# Altium PCB ADL5330.PcbDoc
Units mil, origin at the board's own origin, x right, y up, seen from the top; angles counter-clockwise.
Board outline 1309 x 1066 mil, 2 copper layers (Top Layer, Bottom Layer), stack 21 mil thick; 36 components, 23 nets, 125 pads, 100 vias.
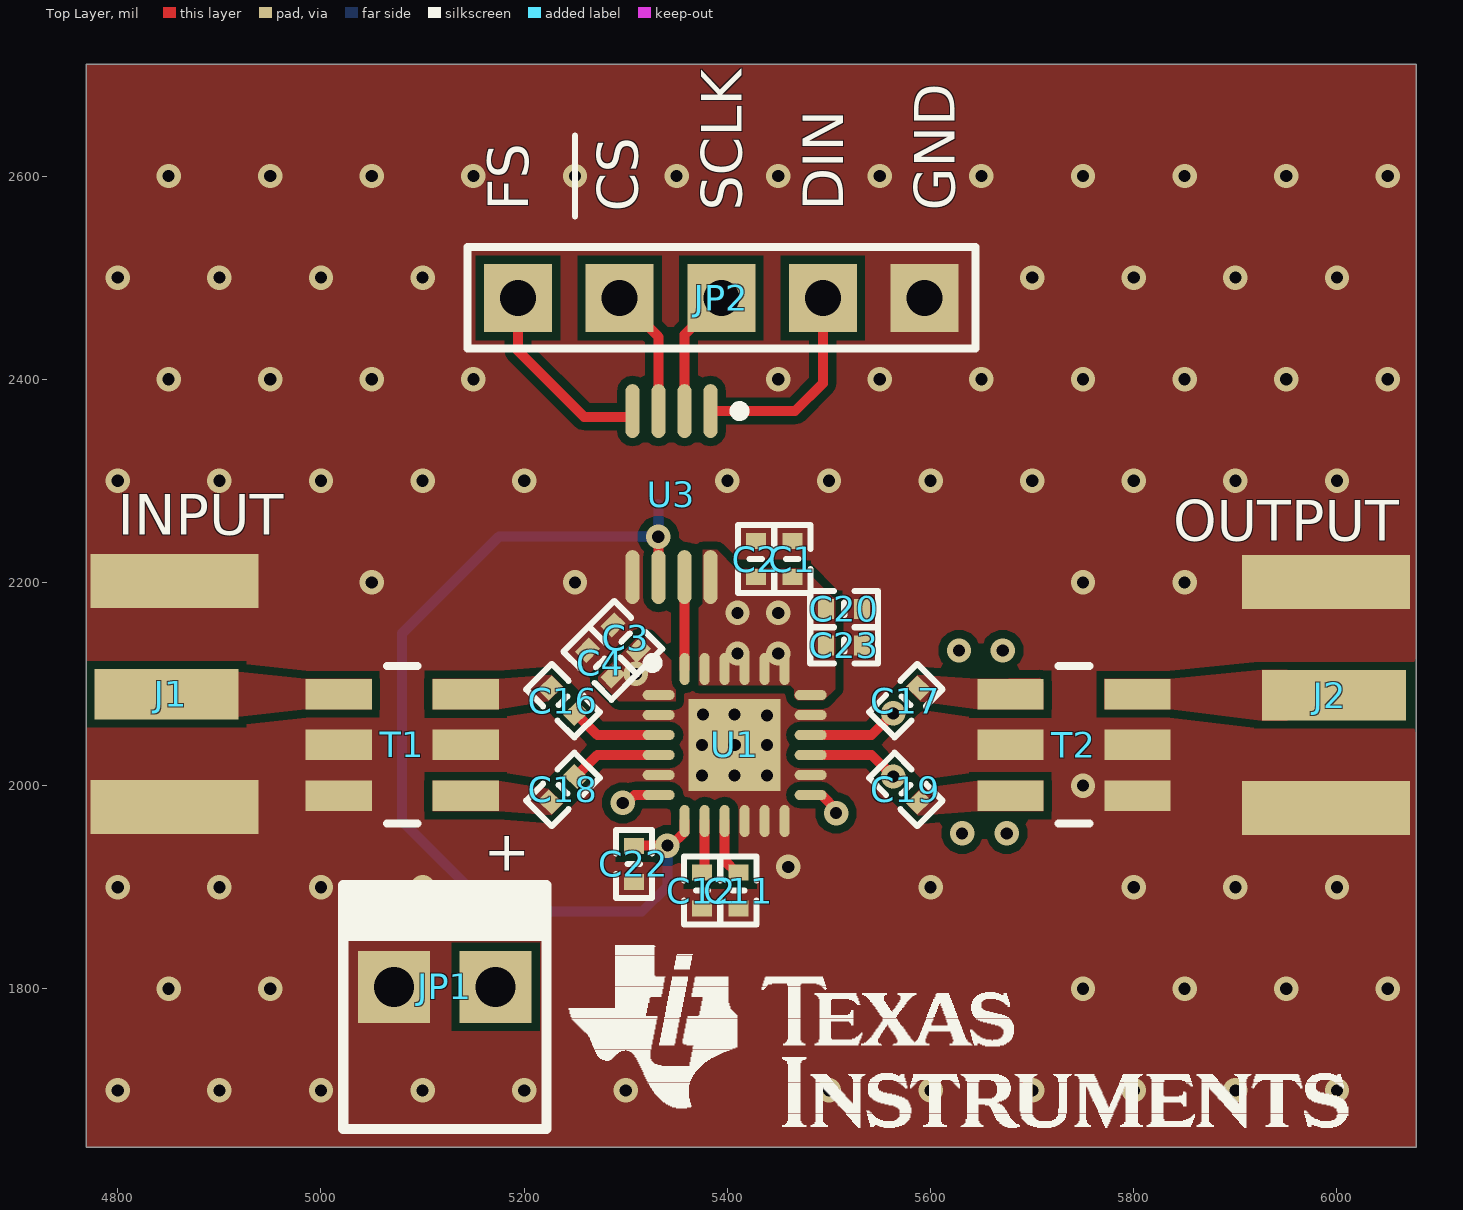
[diagram p0: Top Layer view]
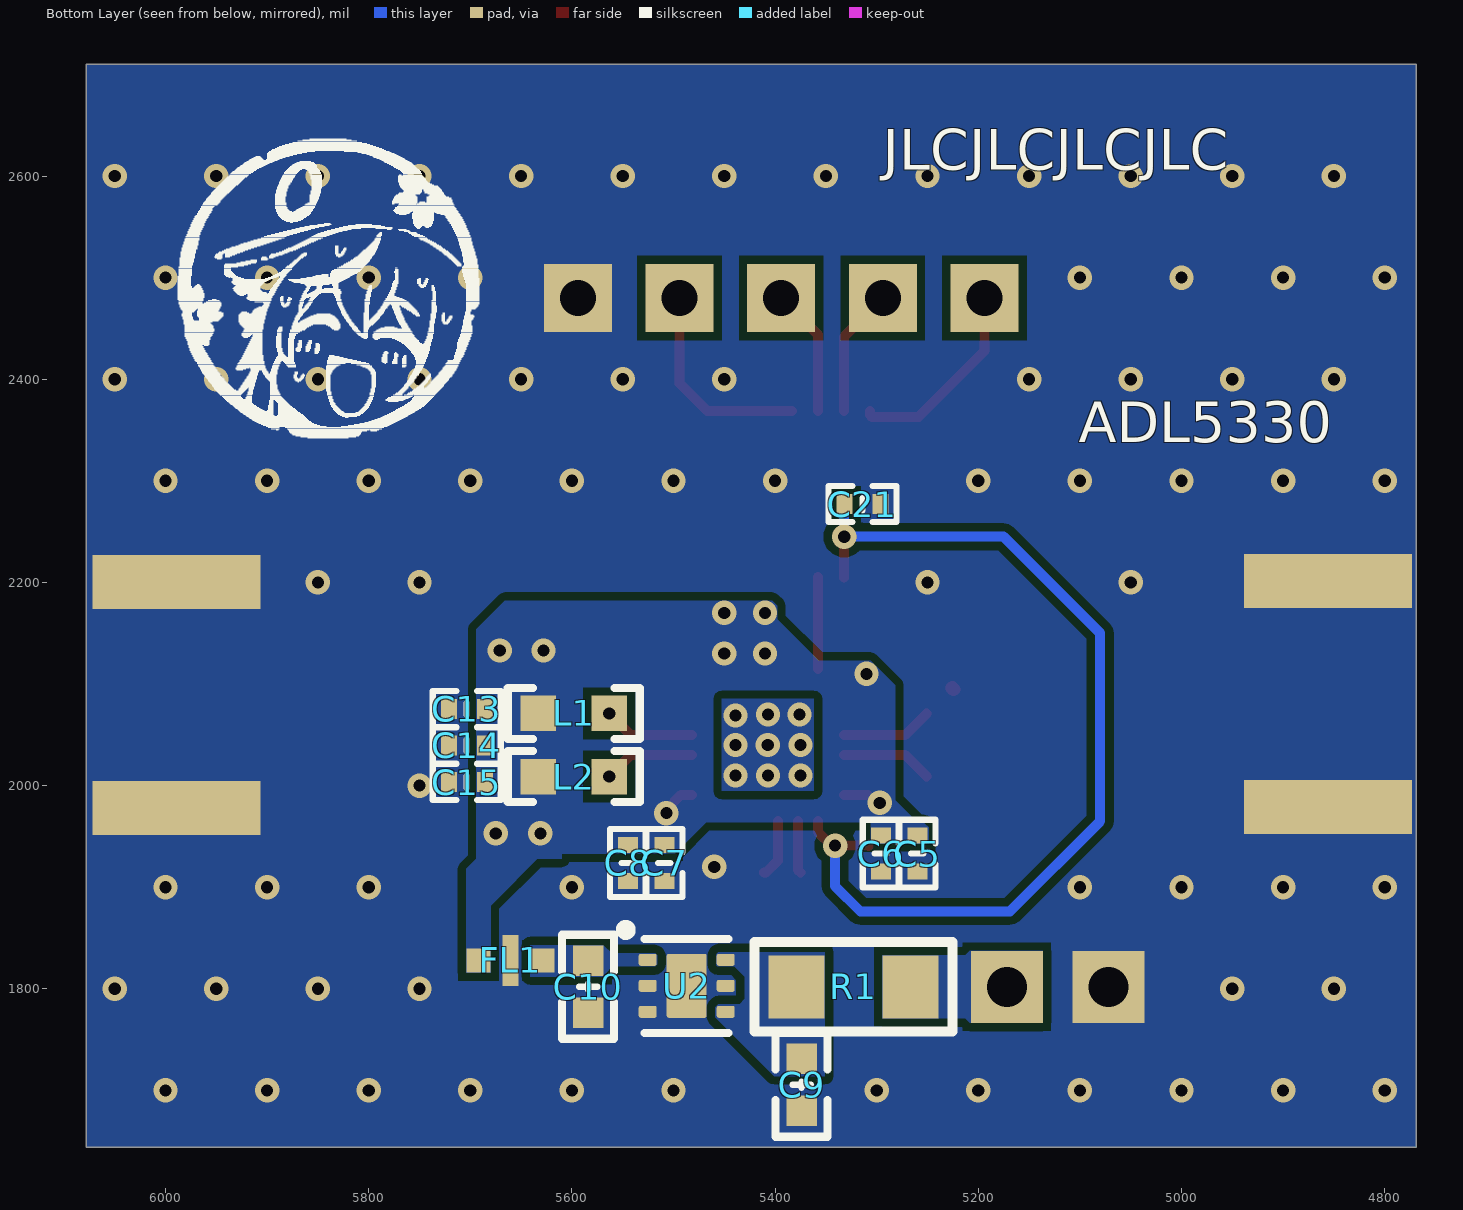
[diagram p1: Bottom Layer view, seen from below]

## Layer stack, top to bottom
Top Solder: solder mask 0.4, Solder Resist, Dk 3.5
Top Layer: signal copper 1.4
Dielectric 2: prepreg 2.8, PP-006, Dk 4.1
Dielectric 1: dielectric 12.6, FR-4, Dk 4.8
Dielectric 3: prepreg 2.8, PP-006, Dk 4.1
Bottom Layer: signal copper 1.4
Bottom Solder: solder mask 0.4, Solder Resist, Dk 3.5

## Board outline
4769,1644 6078,1644 6078,2710 4769,2710

## Design rules (kind name [scope] priority, off if disabled: settings)
Clearance "GND Clearance Rule" [InNet('GND') vs InNetClass('Resisitance Ctrl')] p1: gap=10 ignorepadtopadclearanceinfootprint=FALSE
Clearance [All] p2: gap=8 ignorepadtopadclearanceinfootprint=TRUE
PlaneConnect [All] p1: planeconnectstyle=Direct reliefexpansion=20 reliefentries=4 reliefconductorwidth=10 reliefairgap=10
PolygonConnect [All] p1: connectstyle=Direct reliefconductorwidth=10 reliefentries=4 polygonreliefangle="90 Angle" airgapwidth=10
RoutingVias [All] p1: holewidth=28 width=50 viastyle="Through Hole" minholewidth=28 minwidth=50 maxholewidth=28 maxwidth=50
SolderMaskExpansion [All] p1: expansion=4 istentingtop=FALSE
Width [All] p1: maxlimit=50 minlimit=9.84 preferedwidth=44
29 further rules are at their usual default settings.

## Components (designator, comment, footprint, x,y, rotation, side; value= is the part's Value field where it differs from the comment)
C1 "100nF" "C 0402_L" 5464,2223 r270 top
C2 "100pF" "C 0402_L" 5428,2223 r270 top
C3 "100nF" "C 0402_L" 5299.89,2145.68 r315 top
C4 "100pF" "C 0402_L" 5274.82,2120.76 r315 top
C5 "100nF" "C 0402_L" 5260.01,1933 r90 bottom
C6 "100pF" "C 0402_L" 5296.01,1933 r90 bottom
C7 "100nF" "C 0402_L" 5509,1924 r90 bottom
C8 "100pF" "C 0402_L" 5545,1924 r90 bottom
C9 "1uF" "C 0603_L" 5373.87,1705.61 r270 bottom
C10 "2.2uF" "C 0603_L" 5584,1802 r270 bottom
C11 "1nF" "C 0402_L" 5411,1896.72 r90 top
C12 "1nF" "C 0402_L" 5375,1896.72 r90 top
C13 "100pF" "C 0402_L" 5703.48,2075.51 r180 bottom
C14 "100nF" "C 0402_L" 5703.48,2039.51 r180 bottom
C15 "100pF" "C 0402_L" 5703.48,2003.51 r180 bottom
C16 "100pF" "C 0402_L" 5238.25,2083.58 r315 top
C17 "100pF" "C 0402_L" 5575.73,2083.58 r45 top
C18 "100pF" "C 0402_L" 5238.25,1996.42 r45 top
C19 "100pF" "C 0402_L" 5575.73,1996.42 r315 top
C20 "100nF" "C 0402_L" 5515,2174 r180 top
C21 "100pF" "C 0402_L" 5314,2277 r0 bottom
C22 "100pF" "C 0402_L" 5308,1923 r90 top
C23 "100pF" "C 0402_L" 5515,2138 r0 top
FL1 "NFM18PC104R1C3D" FIL_NFM18PC104R1C3D 5660.5,1828 r0 bottom
J1 "SMA-J-P-H-ST-EM1" FP-SMA-J-P-H-ST-EM1-MFG 4585.8,2090 r270 top
J2 "SMA-J-P-H-ST-EM1" FP-SMA-J-P-H-ST-EM1-MFG 6259.2,2089 r90 top
JP1 "HDR-1X2" KF2510-LI-2P 5122,1802 r0 top
JP2 "HDR-1X5" HDR2.54-LI-5P 5394,2480 r180 top
L1 "120nH" "L 0603" 5598.2,2071.06 r0 bottom
L2 "120nH" "L 0603" 5598.2,2008.94 r180 bottom
R1 "50Ω FB" "R 1206_L" 5322,1802 r0 bottom
T1 "TC1-1-13M" FP-TC1-1-13M+-MFG 5080,2040 r270 top
T2 "TC1-1-13M" FP-TC1-1-13M+-MFG 5740.99,2040 r270 top
U1 "ADL5330ACPZ-REEL7" ADI-CP-24-2_L 5407.19,2040 r0 top
U2 "LP5912DRVT" FP-DRV0006A-MFG 5487,1803 r180 bottom
U3 "TLV5616IDGKR" TI-DGK8_L 5345,2287 r270 top

## Footprints (in the part's own frame and the unit in brackets; to place one, negate y for a bottom-side part, rotate by r counter-clockwise, add the part's x,y. Pads: shape width x height; smd on the part's side, far side on the other; paste and mask are expansions set on the pad)
ADI-CP-24-2_L [mm] "QFN, 24-Leads, Body 4x4mm, Pitch 0.5mm, Thermal Pad 2.3x2.3mm, IPC High Density"
  oval 0.8x0.25 smd mask+0: 1(-1.9,1.25) 2(-1.9,0.75) 3(-1.9,0.25) 4(-1.9,-0.25) 5(-1.9,-0.75) 6(-1.9,-1.25) 13(1.9,-1.25) 14(1.9,-0.75) 15(1.9,-0.25) 16(1.9,0.25) 17(1.9,0.75) 18(1.9,1.25)
  oval 0.25x0.8 smd mask+0: 7(-1.25,-1.9) 8(-0.75,-1.9) 9(-0.25,-1.9) 10(0.25,-1.9) 11(0.75,-1.9) 12(1.25,-1.9) 19(1.25,1.9) 20(0.75,1.9) 21(0.25,1.9) 22(-0.25,1.9) 23(-0.75,1.9) 24(-1.25,1.9)
  rect 2.3x2.3 smd mask+0: 25(0,0)
  silkscreen extent -2.17,1.93 -1.92,2.17, body extent -2.05,-2.05 2.05,2.05, height 0.8
"C 0402_L" [mm] "无极性贴片电容"
  rect 0.4x0.5 smd: 1(-0.45,0) 2(0.45,0)
  silkscreen extent -0.85,-0.45 0.85,0.45, body extent -0.5,-0.26 0.5,0.26, height 0.53
"C 0603_L" [mil] "无极性贴片电容"
  rect 30x30 smd: 1(-25.59,0) 2(25.59,0)
  silkscreen extent -51,-26 51,26, body extent -31,-16 31,16, height 32
FIL_NFM18PC104R1C3D [mm]
  rect 0.6x0.6 smd mask+0: 1(-0.8,0) 3(0.8,0)
  rect 0.4x1.27 smd mask+0: 2(0,0)
  rect 0.4x1.27 on Bottom Solder mask+0: ""(0,0)
  body extent -0.8,-0.4 0.8,0.4, height 0.7
FP-DRV0006A-MFG [mm]
  rrect33% 0.45x0.3 smd paste+0 mask+0: 1(-0.975,0.65) 2(-0.975,0) 3(-0.975,-0.65) 4(0.975,-0.65) 5(0.975,0) 6(0.975,0.65)
  rrect10% 1x1.6 smd paste-1000 mask+0: 7(0,0)
  silkscreen extent -1.65,-1.17 1.05,1.52, body extent -1,-1 1,1, height 0.8
FP-SMA-J-P-H-ST-EM1-MFG [mm]
  rect 1.27x3.6 smd paste+0 mask+0: 1(0,6.66)
  rect 1.35x4.2 smd paste+0 mask+0: 2(-2.825,6.86) 2(2.825,6.86)
  rect 1.35x4.2 smd far side paste+0 mask+0: 2(-2.825,6.86) 2(2.825,6.86)
  body extent -3.6,-4.92 3.6,9.06, height 0.25
FP-TC1-1-13M+-MFG [mil]
  rect 30x65 smd paste+0 mask+0: 1(-50,62.5) 2(0,62.5) 3(50,62.5) 4(50,-62.5) 5(0,-62.5) 6(-50,-62.5)
  silkscreen extent -78,-15 78,15, body extent -81,-99 81,99, height 10
HDR2.54-LI-5P [mm] "排针，5脚"
  rect 1.7x1.7 hole 0.9: 1(-5.08,0) 2(-2.54,0) 3(0,0) 4(2.54,0) 5(5.08,0)
  silkscreen extent -6.35,-1.27 6.35,1.27, body extent -6.35,-1.27 6.35,1.27, height 8.5
KF2510-LI-2P [mm] "接插件/2A"
  rect 1.8x1.8 hole 1: 1(-1.27,0) 2(1.27,0)
  silkscreen extent -2.59,-3.56 2.54,2.54, body extent -2.54,-3.5 2.54,2.4, height 11.05
"L 0603" [mil] "小功率贴片电感"
  rect 35x35 smd: 1(-35,0) 2(35,0)
  silkscreen extent -65,-25 65,25, body extent -31,-16 31,16, height 31
"R 1206_L" [mil] "1/4W贴片电阻"
  rect 55x62 smd: 1(-55.12,0) 2(57.09,0)
  silkscreen extent -96,-44 98,44, body extent -63,-31 63,31, height 22
TI-DGK8_L [mm] "SOP, 8-Leads, Body 3x3mm, Pitch 0.65mm, IPC High Density"
  oval 1.35x0.35 smd mask+0: 1(-2.075,0.975) 2(-2.075,0.325) 3(-2.075,-0.325) 4(-2.075,-0.975) 5(2.075,-0.975) 6(2.075,-0.325) 7(2.075,0.325) 8(2.075,0.975)
  silkscreen extent -2.2,1.58 -1.95,1.83, body extent -1.55,-1.55 1.55,1.55, height 1.1

## Part data
C1 C2 C3 C4 C5 C6 C7 C8 C9 C10 C11 C12 C13 C14 C15 C16 C17 C18 C19 C20 C21 C22 C23: library part C, "贴片电容", BOM名称=贴片电容, 下单链接=https://item.taobao.com/item.htm?ft=t&id=613637044352, 淘宝ID=小糖豆的小窝窝
FL1: "SMD Capacitor with Capacitance: 0.10uF Tol. 20%. Rated Voltage: 16Vdc", Package=NONSTANDARD, Digi-Key_Part_Number=490-6969-1-ND, Digi-Key_Purchase_URL=https://www.digikey.com/product-detail/en/murata-electronics/NFM18PC104R1C3D/490-6969-1-ND/3846166?utm_source=snapeda&utm_medium=aggregator&utm_campaign=symbol, MF=Murata, MP=NFM18PC104R1C3D, SnapEDA_Link=https://www.snapeda.com/parts/NFM18PC104R1C3D/Murata/view-part/4375738/?ref=snap
J1 J2: library part CMP-02754-000006-1, "CONN SMA JACK STR 50OHM EDGE MNT", Case/Package=SMA, Dielectric Material=PTFE, Housing Color=Gold, Max Frequency=6GHz, Max Operating Temperature=125°C, Min Operating Temperature=-65°C, Package Quantity=1, Voltage Rating=335V, Body Material=Brass, Body Plating=Gold, Center Contact Plating=Gold, Connector Type=SMA, Contact Material=Copper, Contact Plating=Gold, Depth=13.33mm, Fastening Type=Threaded, Impedance=50R, Insulation Material=Polytetrafluoroethylene, Length=6.35mm, Mount=Edge, Orientation=Straight, Packaging=Tray, Radiation Hardening=No, RoHS Compliant=Yes, Series=SMA, Termination=Solder
JP1: library part "Header 2", "2P接插件", BOM名称=2P接插件, 下单链接=https://item.taobao.com/item.htm?ft=t&id=613637044352, 淘宝ID=小糖豆的小窝窝
JP2: library part "Header 5", "5P接插件", BOM名称=5P接插件, 下单链接=https://item.taobao.com/item.htm?ft=t&id=613637044352, 淘宝ID=小糖豆的小窝窝
L1 L2: library part L, "小功率贴片电感", BOM名称=小功率贴片电感, 下单链接=https://item.taobao.com/item.htm?ft=t&id=613637044352
R1: library part R, "贴片电阻", BOM名称=贴片电阻, 下单链接=https://item.taobao.com/item.htm?ft=t&id=613637044352, 淘宝ID=小糖豆的小窝窝
T1 T2: "RF Transformer 1: 1 5 Terminal SMD", RoHS Compliant=Yes
U1: library part ADL5330ACPZ, "10 MHz to 3 GHz VGA with 60 dB Gain Control Range, 3GHz, CP-24-2, 1500 Reel, Pb-Free", Supply Current=215mA, 1 dB Comp Point=1.2dBm, Code_JEDEC=MO-220-VGGD-2, ComponentLink1Description="Manufacturer URL", ComponentLink1URL=www.analog.com, ComponentLink2Description=Datasheet, ComponentLink2URL=http://www.analog.com/static/imported-files/data_sheets/ADL5330.pdf, ComponentLink3Description="Package Specification", ComponentLink3URL=http://www.analog.com/static/imported-files/packages/588305704543880784658541CP_24_2.pdf, DatasheetVersion="Rev. A", Gain High End=22dB, Gain Low End=-34dB, Noise Figure=14.7dB, Output IP3=31dBm, PackageDescription="24-Lead Lead Frame Chip Scale Package [LFCSP_VQ]", PackageReference=CP-24-2, PackageVersion=Jan-2005, RF Frquency Range (MHz)=3GHz
U2: "IC REG LINEAR 500MA 6SON", Dropout Voltage=950mV, Max Operating Temperature=125°C, Min Operating Temperature=-40°C, Output Current=500mA, Output Voltage=3.3V, Quiescent Current=30uA, Lead Free="Lead Free", Mount="Surface Mount", Number of Pins=6, Number of Regulators=1, Packaging="Tape and Reel", RoHS Compliant=Yes
U3: library part CMP-0004-00436-1, "12-Bit, 3 us DAC, Serial Input, Programmable Settling Time / Power Consumption, -40 to 85 degC, 8-pin SOP (DGK8), Green (RoHS & no Sb/Br)", Manufacturer="Texas Instruments", Power Consumption(Typ)(mW)=0.9, Code_JEDEC=MO-187, ComponentLink1Description="Manufacturer URL", ComponentLink1URL=http://www.ti.com/, ComponentLink2Description=Datasheet, ComponentLink2URL=http://www.ti.com/general/docs/lit/getliterature.tsp?genericPartNumber=TLV5616&fileType=pdf, ComponentLink3Description="Package Specification", ComponentLink3URL=http://www.ti.com/litv/pdf/mpds028d, DAC Channels=1, DatasheetVersion=SLAS152D, DNL(Max)(+/-LSB)=1, Eco-Plan="Green (RoHS & no Sb/Br)", INL(Max)(+/-LSB)=4, Interface="Serial SPI", Mounting Technology="Surface Mount", PackageDescription="8-Pin Thin Small Outline, Body 3 x 3 mm, Pitch 0.65 mm", PackageReference=DGK8, PackageVersion="4073329/E, 05/2006", PartNumber=TLV5616IDGKR, Resolution(Bits)=12, Settling Time(us)=3, SFDR(dB)=70, SNR(dB)=74, SubFamily="Precision DAC (=<10MSPS)"

## Via types
v1: diameter 24, hole 12, Top Layer to Bottom Layer, tented both sides, 100 vias

## Nets (pads, with @x,y where several pads share a name; then routed paths per layer and width w, separated by ;. In a path a pad name is that pad's centre, name@x,y a point inside that pad or via, vN(x,y) a via of type N, cw(c..) or ccw(c..) an arc to the next point about the centre after c; other vN are vias at no path point)
+5: C1.2 C2.2 C3.2 C4.2 C5.2 C6.2 C7.2 C8.2 C13.2 C14.2 C15.2 C20.2 C23.1 FL1.3 L1.2 L2.1 U1.1 U1.6 U1.13 U1.18 U1.19 U1.20 U1.21 U1.22 U1.23 U3.8 | length 73.1
  Top Layer w9.84: v1(5297,1983) 5300.83,1983 5308.62,1990.79 U1.6 ; U1.13 5492.82,1990.79 5507,1976.6 v1(5507,1973)
  other v1: 5631,1953 5675,1953 5310,2110 5410,2130 5450,2130 5628,2133 5671,2133 5410,2170 5450,2170
C\S\: JP2.4 U3.3 | length 127.1
  Top Layer w9.84: JP2.4 5332.2,2441.8 U3.3
DIN: JP2.2 U3.1 | length 205.9
  Top Layer w9.84: U3.1 5466.69,2368.69 5494,2396 JP2.2
FS: JP2.5 U3.4 | length 196.2
  Top Layer w9.84: JP2.5 5194,2428 5259,2363 5304.8,2363 5306.61,2364.82 U3.4
GAIN: U1.24 U3.7 | length 90.6
  Top Layer w9.84: U3.7 5357.97,2205.13 U1.24
GND: C1.1 C2.1 C3.1 C4.1 C5.1 C6.1 C7.1 C8.1 C9.2 C10.2 C11.1 C12.1 C13.1 C14.1 C15.1 C20.1 C21.1 C22.1 C23.2 FL1.2 J1.2 J2.2 JP1.1 JP2.1 T1.2 T1.4 T1.5 T2.2 T2.3 T2.5 U1.2 U1.5 U1.10 U1.11 U1.12 U1.14 U1.17 U1.25 U2.2 U2.3 U2.5 U2.7 U3.5
  other v1: 4800,1700 4900,1700 5000,1700 5100,1700 5200,1700 5300,1700 5500,1700 5600,1700 5700,1700 5800,1700 5900,1700 6000,1700 4850,1800 4950,1800 5750,1800 5850,1800 5950,1800 6050,1800 4800,1900 4900,1900 5000,1900 5100,1900 5600,1900 5800,1900 5900,1900 6000,1900 5460,1920 5750,2000 5375,2010 5407,2010 5439,2010 5375,2040 5407.19,2040 5439,2040 5439,2069 5376,2070 5407,2070 5050,2200 5250,2200 5750,2200 5850,2200 4800,2300 4900,2300 5000,2300 5100,2300 5200,2300 5400,2300 5500,2300 5600,2300 5700,2300 5800,2300 5900,2300 6000,2300 4850,2400 4950,2400 5050,2400 5150,2400 5450,2400 5550,2400 5650,2400 5750,2400 5850,2400 5950,2400 6050,2400 4800,2500 4900,2500 5000,2500 5100,2500 5700,2500 5800,2500 5900,2500 6000,2500 4850,2600 4950,2600 5050,2600 5150,2600 5250,2600 5350,2600 5450,2600 5550,2600 5650,2600 5750,2600 5850,2600 5950,2600 6050,2600
INHI: C16.2 U1.3 | length 90.4
  Top Layer w9.84: C16.2 5271.99,2049.84 U1.3
INLO: C18.2 U1.4 | length 90.4
  Top Layer w9.84: C18.2 5271.99,2030.16 U1.4
NetC9_1: C9.1 R1.2 U2.4 U2.6
NetC10_1: C10.1 FL1.1 U2.1
NetC11_2: C11.2 U1.9 | length 57.6
  Top Layer w9.84: U1.9 5397.34,1926.12 5409.03,1914.43 C11.2
NetC12_2: C12.2 U1.8 | length 51.9
  Top Layer w9.84: C12.2 5377.66,1917.09 U1.8
NetC16_1: C16.1 T1.1 | length 2
  Top Layer w13.48: C16.1@5224.33,2094.72 C16.1
NetC17_2: C17.2 T2.6
NetC18_1: C18.1 T1.3
NetC19_2: C19.2 T2.4
NetJ1_1: J1.1 T1.6
NetJ2_1: J2.1 T2.1
NetJP1_2: JP1.2 R1.1
OPHI: C17.1 L1.1 U1.16 | length 90
  Top Layer w9.84: U1.16 5541.99,2049.84 v1(5563.2,2071.06)
OPLO: C19.1 L2.2 U1.15 | length 90
  Top Layer w9.84: U1.15 5541.99,2030.16 v1(5563.2,2008.94)
REF: C21.2 C22.2 U1.7 U3.6 | length 963.3
  Top Layer w9.84: C22.2 5308.15,1940.86 5340.86,1940.86 v1(5341,1941) 5344.6,1941 5357.97,1954.37 U1.7 ; U3.6@5331.96,2205.06 U3.6 5332,2205.51 v1(5332,2245)
  Bottom Layer w9.84: C21.2 5332,2276.72 v1(5332,2245) 5175,2245 5080,2150 5080,1965 5169,1876 5316,1876 5341,1901 v1(5341,1941)
SCLK: JP2.3 U3.2 | length 126.3
  Top Layer w9.84: U3.2 5357.8,2443.8 JP2.3
pads on no net: FL1.

## Polygon pours and split planes (outlines as drawn)
GND on Bottom Layer "NONET_L-01_P-001" (solid, remove dead copper, pour order 24): 4769,2710 6078,2710 6078,1644 4769,1644
+5 on Bottom Layer "NONET_L-01_P-001" (solid, remove dead copper, pour order 16): 5704,1816 5704,1918 5694,1928 5694,2154 5666,2182 5403,2182 5398,2177 5398,2164 5357,2123 5306,2123 5282,2099 5282,1964 5468,1964 5499,1933 5629,1933 5680,1882 5680,1816
GND on Bottom Layer "NONET_L-01_P-001" (solid, remove dead copper, pour order 15): 5361.85,2085.29 5361.85,1994.73 5452.45,1994.73 5452.45,2085.29
+5 on Bottom Layer "NONET_L-01_P-001" (solid, remove dead copper, pour order 8): 5610,2154 5610,1928 5694,1928 5694,2154
+5 on Bottom Layer "NONET_L-01_P-001" (solid, remove dead copper, pour order 7): 5499,1933 5494,1938 5494,1978 5503,1987 5511,1987 5544,1954 5552,1954 5558,1948 5558,1933
+5 on Bottom Layer "NONET_L-01_P-001" (solid, remove dead copper, pour order 6): 5306,1943 5306,1973 5310,1977 5309,1978 5309,1989 5302,1996 5292,1996 5259,1963 5253,1963 5249,1959 5249,1943
NetC10_1 on Bottom Layer "NONET_L-01_P-001" (solid, remove dead copper, pour order 3): 5518,1835 5516,1833 5516,1824 5518,1822 5561,1822 5569,1812 5641,1812 5641,1843 5569,1843 5561,1835 5535,1835
NetC9_1 on Bottom Layer "NONET_L-01_P-001" (solid, remove dead copper, pour order 2): 5351,1836 5440,1836 5456,1836 5458,1834 5458,1823 5457,1822 5440,1822 5430,1812 5430,1790 5435,1785 5456,1785 5459,1782 5459,1772 5401,1714 5351,1714
NetJP1_2 on Bottom Layer "NONET_L-01_P-001" (solid, remove dead copper, pour order 0): 5136.56,1837.43 5208.57,1837.43 5212.99,1833.01 5294.39,1833.01 5294.39,1771 5213,1771 5208.58,1766.58 5136.56,1766.58
GND on Top Layer "NONET_L-01_P-001" (solid, remove dead copper, pour order 23): 4769,2710 6078,2710 6078,1644 4769,1644
NetC19_2 on Top Layer "NONET_L-01_P-001" (solid, remove dead copper, pour order 22): 5711,2005 5646,2005 5590.43,1997.2 5575.69,1982.46 5587.99,1970.17 5646,1975 5711,1975
NetC17_2 on Top Layer "NONET_L-01_P-001" (solid, remove dead copper, pour order 21): 5711,2106 5711,2075 5646,2075 5590.44,2082.8 5575.74,2097.5 5587.22,2108.98 5646,2105
NetC18_1 on Top Layer "NONET_L-01_P-001" (solid, remove dead copper, pour order 20): 5110,2005 5175,2005 5223.71,1997.05 5238.22,1982.53 5226.79,1971.09 5175,1975 5110,1975
NetC16_1 on Top Layer "NONET_L-01_P-001" (solid, remove dead copper, pour order 19): 5110,2075 5175,2075 5223.68,2082.95 5238.25,2097.52 5226.85,2108.91 5175,2105 5110,2105
NetJ2_1 on Top Layer "NONET_L-01_P-001" (solid, remove dead copper, pour order 18): 5771,2104.97 5835.74,2104.97 5926,2114 5951,2114 5951,2064 5926,2064 5836,2075 5771,2075
NetJ1_1 on Top Layer "NONET_L-01_P-001" (solid, remove dead copper, pour order 17): 4900,2112 4900,2068 4919,2068 4985,2075 5050,2075 5050,2105 4985,2105 4919,2112
+5 on Top Layer "NONET_L-01_P-001" (solid, remove dead copper, pour order 5): 5349,2083 5293,2083 5273,2103 5273,2107 5312,2146 5322,2146 5349,2119
+5 on Top Layer "NONET_L-01_P-001" (solid, remove dead copper, pour order 4): 5376,2232 5376,2179 5372,2175 5372,2099 5462,2099 5466,2095 5466,2087 5469,2084 5495,2084 5506,2095 5506,2185 5504,2185 5475,2214 5408,2214 5390,2232
no net on Bottom Solder "NONET_L-01_P-001" (solid): 5361.88,2085.31 5361.88,1994.93 5452.48,1994.93 5452.48,2085.31

## Silkscreen, mask and mechanical layers (free items; w line width, h text height)
Top Overlay:
  drawing of 1783 lines, arcs and shapes, not listed
  text "FS" at 5204,2566 h40 r90
  text "SCLK" at 5414,2566 h40 r90
  text "DIN" at 5514,2566 h40 r90
  text "GND" at 5624,2566 h40 r90
  text "CS" at 5311.69,2564.96 h40 r90
  text "INPUT" at 4800,2247 h40
  text "OUTPUT" at 5839,2241 h40
  text "+" at 5160,1916.34 h40
Bottom Overlay:
  drawing of 1926 lines, arcs and shapes, not listed
  text "JLCJLCJLCJLC" at 5294,2606 h40
  text "ADL5330" at 5101,2338 h40
Mechanical 1:
  the board outline again, w6